# KiCad board 6502PC-6U.kicad_pcb (continued)
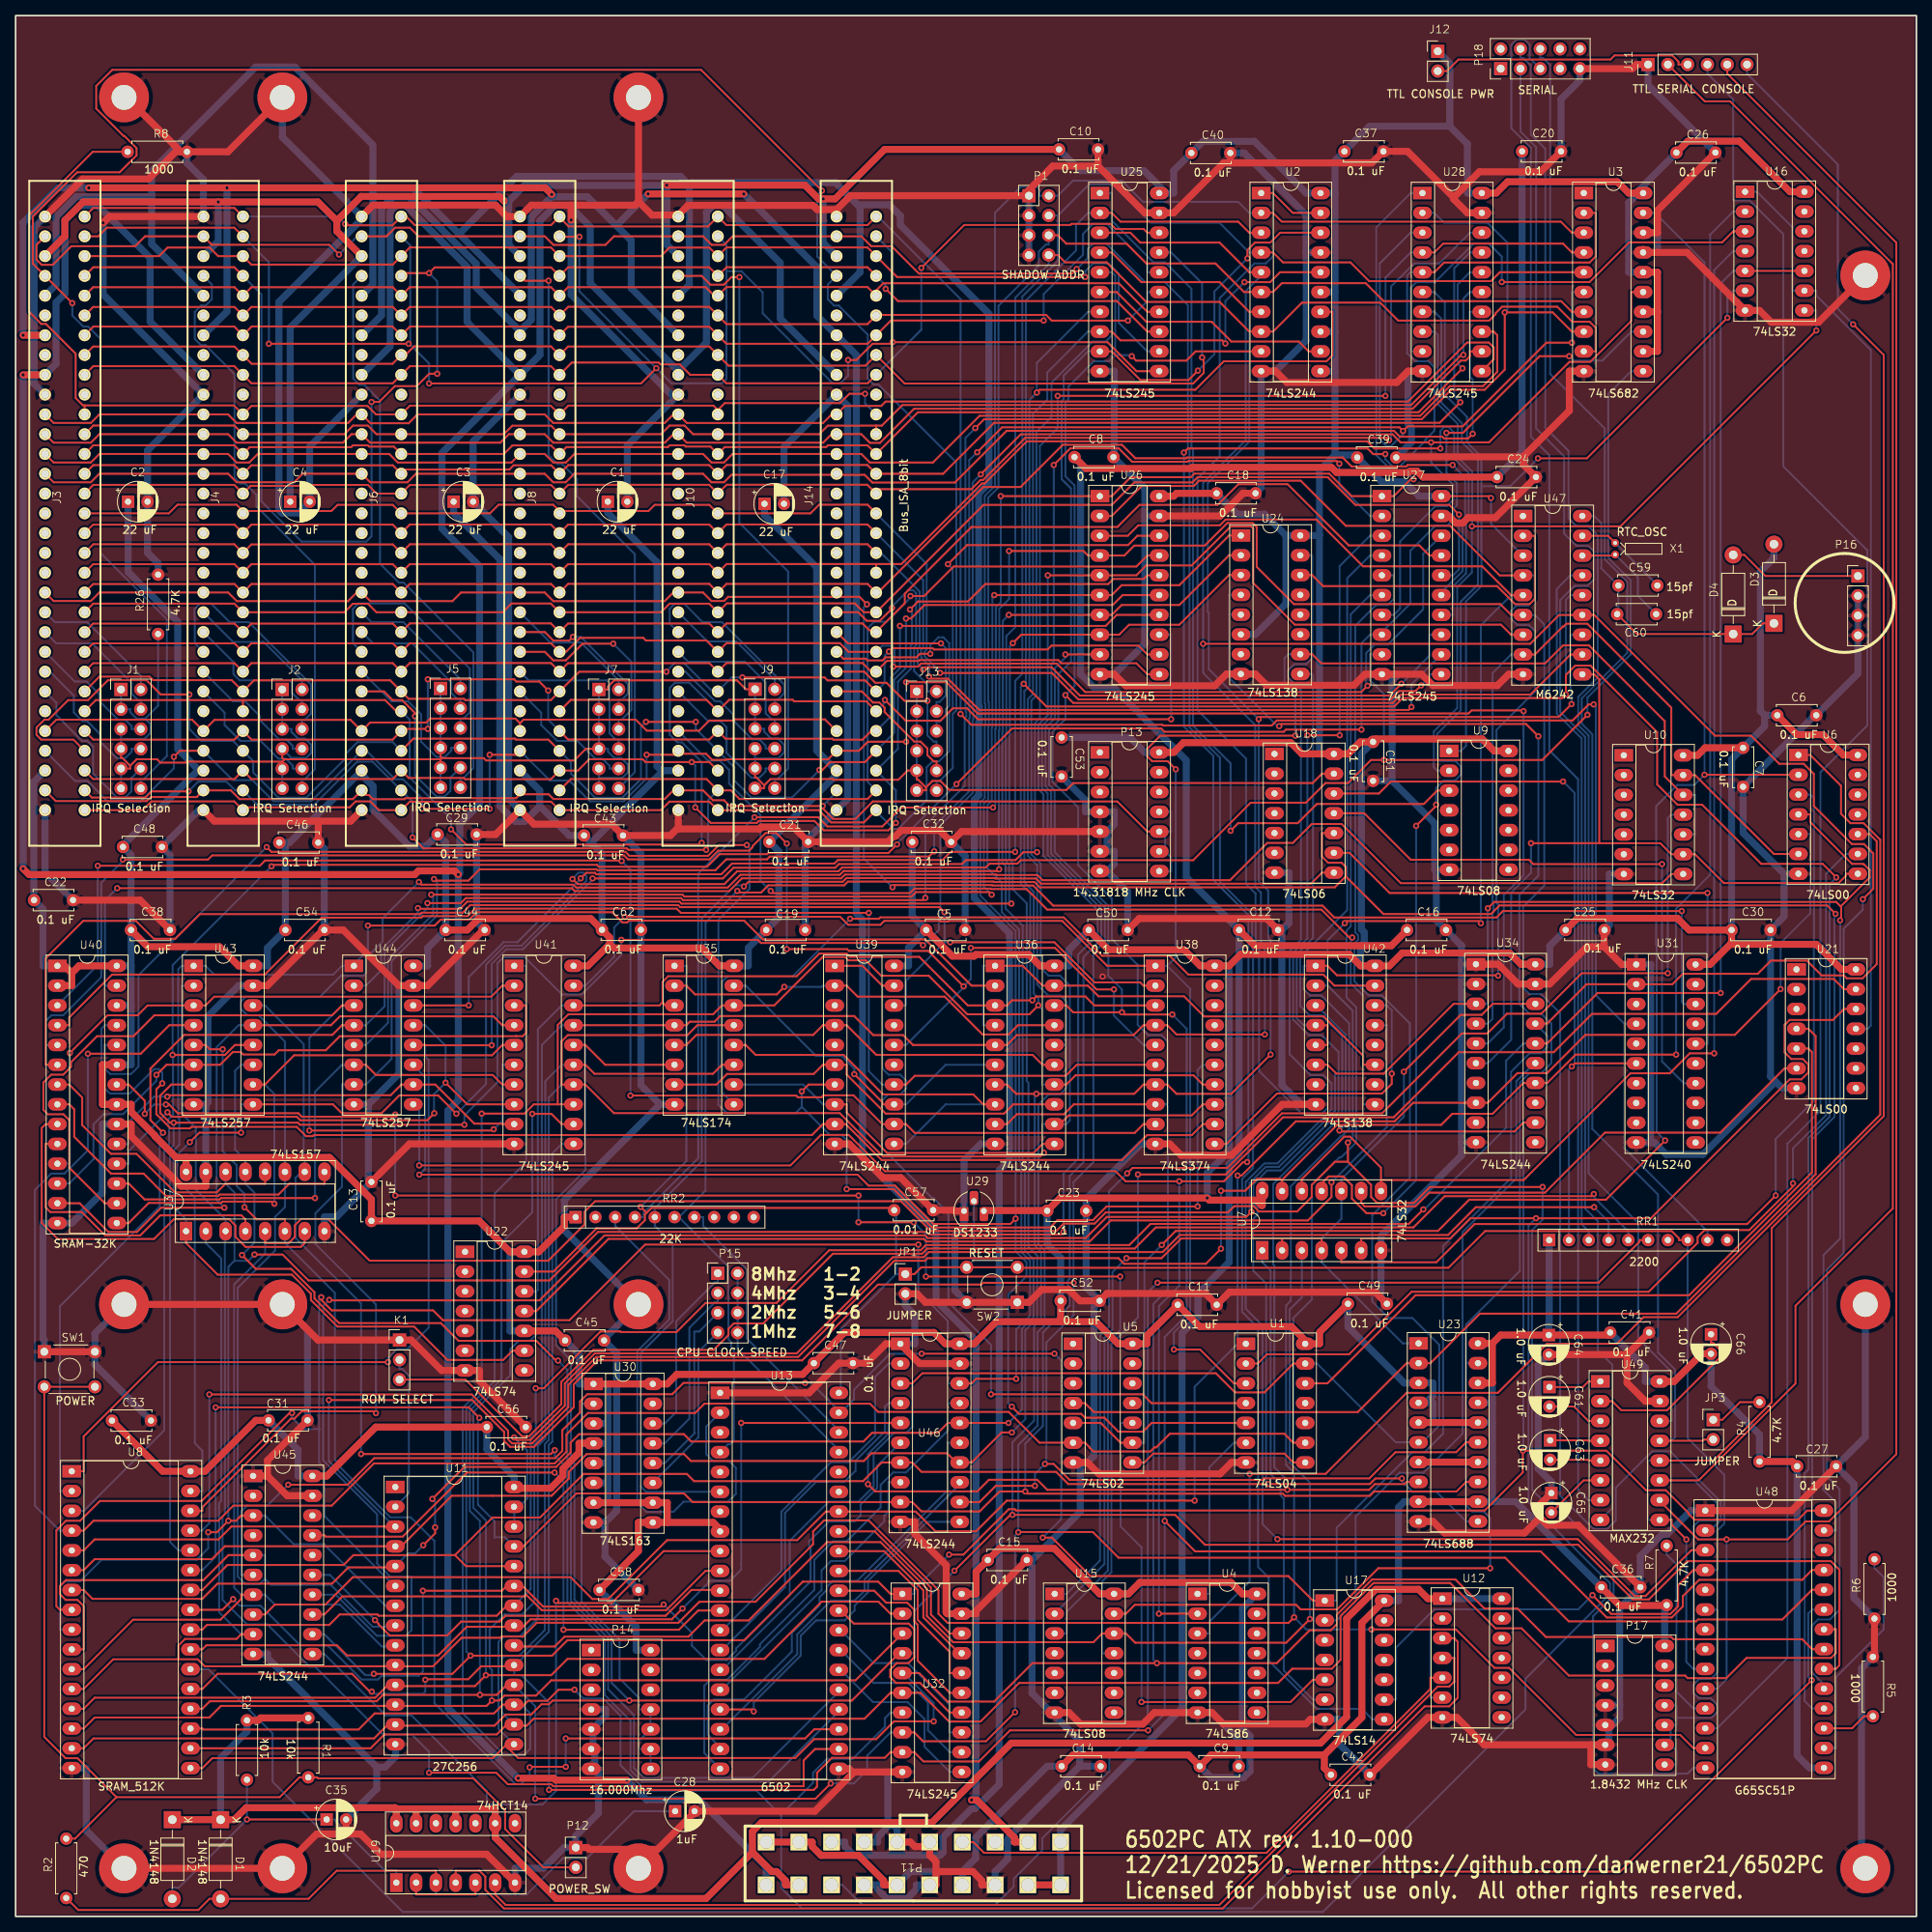
[diagram p0: board, top side]
## Routing (per net, layer and track width the routed paths; a pad name or vN(x,y) marks a point on that pad's centre or on a via; arc(x,y) is an arc through that point) (continued)
/AEN: length 152.9
  Top w0.25: R8.1 9.9,226.52 1.72,218.33 1.72,206 3.3,204.42 3.89,204.42 7.71,200.6 7.71,194.9 8.65,193.96 8.87,193.96 ; 8.87,193.96 28.03,193.96 J4.42 30.27,193.89 45.18,193.89 46.27,192.81 J6.42 50.63,193.93 68.7,193.93 J8.42 70.95,193.93 89.58,193.93 90.15,193.37 ; 8.87,193.96 J3.42 ; v1(109.04,195.45) 107.03,195.45 105.84,194.26 91.03,194.26 90.15,193.37 ; 90.15,193.37 J10.42
  Bottom w0.25: J14.42 109.04,194.23 v1(109.04,195.45)
/BUS: length 118.5
  Bottom w0.25: U21.11 237.75,113.94 238.14,114.33 238.14,201.08 231.15,208.07 231.15,208.69 U16.9 228.1,208.69 228.1,216.82 223.53,221.39 U16.1
/BUSAK: length 230.2
  Top w0.25: v1(126.45,182.31) U26.1 140.71,182.31 143.14,184.75 150.87,184.75 151.32,185.2 168.62,185.2 171.51,182.31 U27.1 176.92,182.31 179.09,184.48 v1(179.45,184.48) ; v1(125.47,142.35) 113.7,142.35 111.27,139.91 104.21,139.91 103.03,141.09 v1(94.85,141.09)
  Bottom w0.25: U28.1 179.07,221.21 174.67,216.81 174.67,187.57 176.88,185.36 178.57,185.36 v1(179.45,184.48) ; v1(126.45,182.31) 126.45,168.68 125.83,168.05 125.83,152.47 125.76,152.4 125.76,142.63 v1(125.47,142.35) ; RR2.4 80.63,89.76 80.63,90.34 87.63,97.34 87.63,133.87 v1(94.85,141.09)
/IORQ: length 173.6
  Top w0.25: 175.27,94.53 175.27,96.12 171.29,100.1 170.56,100.1 165.11,94.64 U7.12 ; 175.27,94.53 193.58,94.53 207.29,108.23 212.34,108.23 214.9,110.79 v1(218.04,110.79) ; 175.27,94.53 U7.8
  Bottom w0.25: v1(218.04,110.79) 218.04,211.33 220.48,213.77 U16.4
/IOSEL-0EF80: length 202
  Top w0.25: U48.3 215.11,47.01 209.23,41.14 207.83,41.14 200.54,48.43 v1(161.98,48.43)
  Bottom w0.25: v1(161.98,48.43) 160.06,50.35 160.06,75.84 157.9,77.99 157.9,94.27 160.29,96.66 161.97,96.66 168.92,103.61 168.92,106.95 167.89,107.98 166.23,107.98 163.55,110.66 163.55,123.9 165,125.35 165,157.38 163.38,159 163.38,159.98 164.15,160.75 165.66,160.75 166.43,161.52 166.43,174.72 U24.15
/IOSEL-0EF90: length 41.6
  Top w0.25: U24.14 166.43,172.18 167.85,170.77 190.17,170.77 192.48,168.46 194.36,168.46 195.02,169.11 195.02,177.22 U47.2
/IOSEL-0EFD0: length 281.9
  Top w0.25: v1(78.2,128.32) 105.84,128.32 106.88,127.28 111,127.28 111.51,127.79 118.69,127.79 118.76,127.73 119.73,127.73 119.8,127.79 134.35,127.79 140.12,122.02 U38.1 ; v1(148.68,72.77) 152.05,72.77 156.39,68.43 U1.3 ; v1(148.92,147.25) 147.88,148.29 145.89,148.29 145.27,148.92 145.27,149.9 146.94,151.57 v1(164.27,151.57) ; U24.10 166.43,162.02 167.62,160.84 196.33,160.84 198.65,163.16 201.96,163.16 211.69,153.43 211.69,146.33 U10.12
  Bottom w0.25: U38.1 147.83,122.02 ; 147.83,122.02 150.78,119.08 150.78,77.03 148.68,74.93 v1(148.68,72.77) ; 147.83,122.02 148.92,123.11 v1(148.92,147.25) ; v1(78.2,128.32) 76.84,126.96 76.84,123.17 73.15,119.48 U41.19 ; U10.12 215.58,143.97 215.58,138.89 U10.10 ; v1(164.27,151.57) 164.27,156.76 162.87,158.16 162.87,161.51 163.38,162.02 U24.10
/IOSEL-0EFE0: length 55
  Top w0.25: U42.4 168.41,114.4 168.41,111.86 U42.5
  Bottom w0.25: U42.4 165.36,114.4 164.45,115.31 164.45,123.5 166.54,125.6 166.54,159.37 166.43,159.48 U24.9
/IRQ: length 318.8
  Top w0.25: 170.75,133.51 175.58,128.67 189.39,128.67 190.49,129.78 232.54,129.78 v1(233.62,128.69) ; 170.75,133.51 169.34,132.1 131.47,132.1 130.79,132.78 125.58,132.78 125.52,132.84 106.84,132.84 106.36,132.36 96.63,132.36 95.7,131.43 92.84,131.43 v1(92.64,131.63) ; 170.75,133.51 170.75,134.72 170.21,135.26 168.48,135.26 167.7,136.04 167.7,139.07 U18.10
  Bottom w0.25: v1(92.64,131.63) 88.56,127.56 88.56,93.18 85.15,89.76 ; v1(233.62,128.69) 233.48,128.56 233.48,102.64 230.61,99.77 230.61,47.01 U48.26 ; U13.4 91.45,60.6 91.7,60.6 92.21,61.11 92.21,72.71 91.87,73.05 91.87,73.72 91.5,74.08 91.5,83.41 85.15,89.76 ; 85.15,89.76 RR2.6
/Memory Map/SHADOW-ROM: length 63.2
  Top w0.25: U17.5 166.53,30.38 163.67,27.52 v1(144.53,27.52)
  Bottom w0.25: U5.10 141.84,63.35 141.84,50.06 144.53,47.37 v1(144.53,27.52)
/MMU four//OE: length 202.7
  Top w0.25: v1(16.58,103.02) 16.58,104.71 14.51,106.78 U40.22 ; v1(108.2,89.1) v1(115.29,89.1) ; v1(116.85,82.14) v1(141.79,82.14) ; v1(19.3,104.23) 19.7,104.23 20.83,103.1 36.29,103.1 36.74,102.65 48.46,102.65 v1(48.74,102.93) ; v1(108.2,92.54) v1(48.74,92.54)
  Bottom w0.25: v1(48.74,102.93) v1(48.74,92.54) ; v1(16.58,103.02) 17.79,104.23 v1(19.3,104.23) ; v1(115.29,89.1) 116.85,87.54 v1(116.85,82.14) ; v1(141.79,82.14) 141.79,75.25 140.21,73.68 140.21,44.38 134.91,39.07 134.91,36.32 U15.3 ; v1(108.2,92.54) v1(108.2,89.1)
/MMU-ENB-WR: length 136.6
  Top w0.25: v1(168.91,94.24) 168.91,92.36 165.9,89.34 140.58,89.34 137.87,86.63 116.9,86.63 116.57,86.97 76.1,86.97 66.84,77.7 U22.11
  Bottom w0.25: v1(168.91,94.24) 176.03,101.35 176.03,107.78 175.92,107.88 175.92,108.48 176.03,108.58 176.03,114.4 U42.13
/MMU-IO-PREFIX-RD: length 146.9
  Top w0.25: U2.19 163.95,218.67 161.41,221.21 U2.1
  Bottom w0.25: U2.1 161.41,221.21 161.41,213.12 160.48,212.18 159.02,212.18 154.57,207.72 154.57,187.43 151.71,184.57 151.71,154.86 157.94,148.63 157.94,132.54 159.17,131.31 159.17,124.49 159.62,124.04 159.62,108.52 165.1,103.05 167.7,103.05 168.41,103.76 168.41,106.78 U42.7
/MMU-MAP-RD: length 160.8
  Top w0.25: v1(142.69,95.39) 143.39,96.08 155.55,96.08 162.55,103.09 175.41,103.09 185.65,113.33 188.9,113.33 191.44,115.87 195.83,115.87 201.03,121.07 v1(212.08,121.07)
  Bottom w0.25: U15.1 134.91,41.4 139.2,45.7 139.2,74.55 140.35,75.7 140.35,93.05 v1(142.69,95.39) ; U10.11 212.53,141.43 212.08,140.98 v1(212.08,121.07)
/MMU-MAP-WR: length 223.7
  Top w0.25: v1(13.04,131.99) 71.41,131.99 71.78,131.61 91.59,131.61 93.24,133.26 105.99,133.26 106.47,133.74 125.89,133.74 125.95,133.68 131.17,133.68 131.83,133.01 155.89,133.01 160.67,137.8 163.95,137.8 166.39,140.23 170.22,140.23 177.82,132.63 211.36,132.63 212.53,133.81 U10.8
  Bottom w0.25: U40.27 11.46,119.48 11.46,130.41 v1(13.04,131.99)
/MMU-TASK-RD: length 65.4
  Top w0.25: U42.11 172.98,109.32 172.98,110.48 167.93,115.53 152.58,115.53 149.99,118.12 139,118.12 137.64,119.48 U36.19 131.82,119.48 129.28,122.02 U36.1
  Bottom w0.25: U36.1 124.2,122.02 124.2,114.4 U36.4
/MMU-TASK-SETUP-WR: length 37.8
  Top w0.25: U38.11 155.45,99.16 161.92,105.63 175.4,105.63 176.65,106.88 v1(176.65,108.18)
  Bottom w0.25: U42.14 176.03,116.94 176.65,116.32 v1(176.65,108.18)
/MMU-TASK-WR: length 107.3
  Top w0.25: U42.15 169.28,119.48 167.87,120.9 150.54,120.9 148.13,123.31 139.47,123.31 134.54,128.24 119.61,128.24 119.54,128.18 118.94,128.18 118.88,128.24 111,128.24 110.83,128.06 v1(107.12,128.06)
  Bottom w0.25: v1(107.12,128.06) 99.73,120.68 91.39,120.68 90.67,119.95 90.67,105.77 U35.9
/NMI: length 173.1
  Top w0.25: U18.8 167.7,133.99 166.28,132.56 131.65,132.56 130.98,133.23 125.76,133.23 125.71,133.29 106.65,133.29 106.17,132.81 94.09,132.81 v1(93.48,132.21)
  Bottom w0.25: 90.69,54.51 80.94,54.51 80.26,55.18 80.26,72.33 84.35,76.42 84.35,86.33 82.05,88.64 RR2.5 82.05,90.89 88.08,96.92 88.08,128.1 92.34,132.36 93.33,132.36 v1(93.48,132.21)
/ONBOARDIO: length 227.4
  Top w0.25: v1(189.28,44.69) 174.92,44.69 169.64,39.41 164.96,39.41 164.36,40.01 143.67,40.01 142.53,38.86 U15.13 ; v1(195.47,151.49) 193.89,153.07 162.48,153.07 v1(162.21,152.79)
  Bottom w0.25: U24.4 155.76,169.64 155.76,167.1 ; 186.19,71.02 186.19,75.96 193.1,82.87 193.1,107.03 194.33,108.25 195.86,108.25 197.14,109.54 197.14,114.6 195.87,115.87 194.31,115.87 193.03,117.15 193.03,131.15 195.47,133.59 v1(195.47,151.49) ; 186.19,71.02 186.19,52.76 186.98,51.97 188.45,51.97 189.28,51.13 v1(189.28,44.69) ; 186.19,71.02 U23.19 ; 155.76,167.1 U24.5 ; 155.76,167.1 155.76,159.02 161.99,152.79 v1(162.21,152.79)
/ONBOARDRAM: length 357
  Top w0.25: U7.6 172.73,87.02 184.15,87.02 186.75,89.62 v1(195.17,89.62) 209.91,89.62 227.74,107.45 229.24,107.45 230.13,108.34 230.13,109.34 229.41,110.06 227.94,110.06 227.08,110.92 227.08,114.43 227.72,115.07 233.29,115.07 234.7,116.48 U21.12
  Bottom w0.25: U8.22 24.76,31.74 32.99,23.51 32.99,17.28 49.69,0.58 167.79,0.58 193.82,26.6 193.82,30.52 204.68,41.38 204.68,42.76 204.05,43.39 203.98,43.39 194.2,53.17 194.2,88.65 v1(195.17,89.62)
/ONBOARDROM: length 166.3
  Top w0.25: 64.02,34.65 69.2,34.65 70.47,35.91 86.36,35.91 88.45,38 94.11,38 104.16,48.05 111.03,48.05 116.98,42.1 116.98,38.57 120.35,35.2 138.35,35.2 139.48,36.32 U15.12 142.53,36.32 143.72,35.13 163.1,35.13 v1(166.14,38.17)
  Bottom w0.25: v1(166.14,38.17) 166.14,55.68 163.55,58.26 163.55,77.93 165.11,79.48 U7.3
/RD: length 352.7
  Top w0.25: v1(218.87,118.53) 203.07,118.53 196.6,112.06 U34.16 ; v1(180.7,90.75) 178.84,88.89 145.68,88.89 142.97,86.18 116.85,86.18 116.18,85.52 104.45,85.52 97.68,78.75 88.58,78.75 84.84,75.01 77.7,75.01 77.62,75.09 75.09,75.09 67.8,67.8 v1(66.76,67.8) ; 64.02,39.73 62.89,39.73 61.77,38.6 46.6,38.6 46.43,38.76 41.6,38.76 40.26,37.42 24.57,37.42 23.97,36.82 U8.24 ; U16.5 U16.10
  Bottom w0.25: U11.22 66.13,42.03 66.13,61.28 66.08,61.33 66.76,62.01 v1(66.76,67.8) ; U16.5 220.48,211.23 218.87,209.62 v1(218.87,118.53) ; v1(180.7,90.75) 180.85,90.75 191.34,101.24 191.34,109.85 193.55,112.06 U34.16
/RESET: length 329.1
  Top w0.25: 81,90.32 80.78,90.1 80.78,89.37 79.73,88.32 74.58,88.32 69.04,82.78 U22.13 ; 81,90.32 v1(80.23,91.08) ; 81,90.32 81.63,90.95 112.49,90.95 C57.1 ; v1(202.42,41.24) 204.83,38.82 212.41,38.82 213.41,39.82 213.41,42.51 215.37,44.47 U48.4 ; JP1.1 115.38,82.46 116.26,83.33 SW2.2 SW2.2 128.66,83.26 183.93,83.26 188.64,87.98 212.59,87.98 213.51,87.05 213.51,86.82 RR1.8
  Bottom w0.25: U35.1 86.1,122.02 86.1,96.95 v1(80.23,91.08) ; U29.2 123.02,84.26 SW2.2 ; 105.93,67.21 105.93,75.35 113.03,82.46 ; 113.03,82.46 113.03,90.4 C57.1 ; 113.03,82.46 JP1.1 ; v1(202.42,41.24) 200.59,39.41 182.1,39.41 177.2,34.51 177.2,27.84 U17.9 ; U48.4 218.42,44.47 218.42,49.5 219.33,50.41 219.33,56.7 214.64,61.4 RR1.8
/SHADOW: length 246.3
  Top w0.25: U5.9 141.84,60.81 139.3,63.35 U5.5 ; v1(211.75,99.6) 204.15,92.01 186.59,92.01 182.58,87.99 148.93,87.99 v1(147.12,86.19) ; U6.2 v1(216.8,146.54)
  Bottom w0.25: U5.9 144.89,60.81 144.89,83.96 v1(147.12,86.19) ; v1(211.75,99.6) 210.66,100.7 210.66,124.66 210.6,124.71 210.6,142.53 213.3,145.24 215.49,145.24 v1(216.8,146.54) 216.8,212.32 210.44,218.67 208.92,218.67
/SO: length 36.1
  Bottom w0.25: RR2.7 88.25,89.76 88.25,88.66 93.86,83.05 93.86,74.19 105.93,62.13
/VMA: length 144.7
  Top w0.25: U34.18 189.62,117.14 188.2,115.73 185.5,115.73 v1(178.2,108.43) ; 162.57,86.91 U7.2 ; 162.57,86.91 162.68,87.02 167.65,87.02 U7.4 ; 162.57,86.91 162.46,87.02 149.62,87.02 147.09,84.5 v1(142.59,84.5)
  Bottom w0.25: U15.2 139.76,45.24 139.76,74.28 140.8,75.32 140.8,82.71 v1(142.59,84.5) ; v1(178.2,108.43) 178.2,102.66 170.19,94.64 U7.10 170.19,89.56 167.65,87.02 U7.4 167.65,83.97 178.06,73.56 U23.1
/WR: length 352.6
  Top w0.25: 162.57,94.44 U7.13 ; 162.57,94.44 162.32,94.69 159.37,94.69 157.84,93.15 v1(154.73,93.15) ; 162.57,94.44 162.57,94.54 169.63,101.61 183,101.61 184.42,103.03 189.6,103.03 193.55,106.98 U34.14 196.6,106.98 200.24,110.62 v1(213.15,110.62) ; v1(154.73,85.71) 152.79,83.77 142.29,83.77 141.56,84.51 117.08,84.51 116.74,84.17 112.8,84.17 100.45,71.82 74.53,71.82 70.95,68.24 70.95,65.38 66.3,60.72 63.73,60.72 63.23,61.22 63.23,62.33 58.55,67.01 v1(24.86,67.01)
  Bottom w0.25: v1(24.86,67.01) 24.86,50.48 23.97,49.59 23.97,49.52 U8.29 ; v1(213.15,110.62) 213.15,129.35 217.52,133.72 217.52,215.89 220.48,218.85 U16.2 ; v1(154.73,93.15) v1(154.73,85.71)
ACIA_CLK: length 37.8
  Bottom w0.25: 212.44,24.57 213.2,24.57 213.2,25.49 ; 212.44,24.57 P17.10 ; 212.44,24.57 212.44,22.03 ; P17.9 212.44,22.03 ; 212.44,22.03 213.2,21.26 213.2,19.49 P17.8 ; 213.2,25.49 217.7,25.49 218.43,26.22 218.43,27.19 217.58,28.03 216.04,28.03 215.37,28.7 215.37,29.73 216.14,30.5 217.62,30.5 218.42,31.3 218.42,39.39 U48.6 ; 213.2,25.49 213.2,27.11 P17.11
B_/CLK: length 265.9
  Top w0.25: v1(213.88,129.05) 190.92,129.05 190.1,128.22 169.28,128.22 167.75,129.75 133.19,129.75 130.61,132.33 125.39,132.33 125.33,132.39 112.85,132.39 v1(112.57,132.11) ; J3.20 4.88,168.85 9.66,168.85 10.75,169.95 J4.20 27.28,169.95 28.39,168.84 42.68,168.84 43.79,169.95 J6.20 45.53,168.84 56.08,168.84 57.19,169.95 J8.20 67.92,169.95 69.03,168.83 83.32,168.83 84.43,169.95 J10.20 88.24,169.95 89.33,168.86 90.93,168.86 91.46,169.38 105.39,169.38 ; 105.39,169.38 108.33,169.38 v1(109.28,168.43) ; 105.39,169.38 J14.20
  Bottom w0.25: U31.18 214.13,117.12 213.88,117.37 v1(213.88,129.05) ; v1(109.28,168.43) 108.88,168.03 108.88,135.8 v1(112.57,132.11)
B_/INT: length 98.3
  Top w0.25: v1(199.76,109.11) 200.16,109.5 208.03,109.5 ; v1(198.64,145.68) 176.53,145.68 175,144.15 U18.12
  Bottom w0.25: RR1.2 199.4,108.74 v1(199.76,109.11) 200.12,109.46 200.12,144.2 v1(198.64,145.68)
B_/NMI: length 334.2
  Top w0.25: 69.77,218.16 J8.32 ; 69.77,218.16 68.73,217.11 51.24,217.11 50.14,218.21 J6.32 48.38,217.08 42.47,217.08 v1(42.31,217.24) ; 69.77,218.16 71,216.93 88.87,216.93 J10.32 91.24,217.11 109.37,217.11 J14.32 ; J4.32 28.09,219.31 9.97,219.31 J3.32 ; v1(202.56,155.58) 201.93,155.58 199.86,153.52 161.89,153.52 161.24,152.87 147.31,152.87 147.21,152.97 122.69,152.97 v1(121.31,154.35)
  Bottom w0.25: v1(42.31,217.24) 41.35,218.21 J4.32 ; v1(121.31,154.35) 121.31,207.6 110.7,218.21 J14.32 ; 206.51,114.58 202.84,118.24 202.84,155.3 v1(202.56,155.58) ; 206.51,114.58 U31.4 ; 206.51,114.58 206.51,98.61 217.18,87.94 RR1.9
B_A0: length 176.8
  Top w0.25: 29.19,142.37 28.82,142.37 28.06,143.13 17.44,143.13 16.32,142.01 J3.62 ; 29.19,142.37 42.89,142.37 43.64,143.13 45.52,143.13 46.65,142.01 J6.62 50.59,143.09 68.74,143.09 J8.62 82.84,142.01 83.94,143.1 89.05,143.1 J10.62 103.1,142.01 104.67,140.43 108.89,140.43 J14.62 ; 29.19,142.37 J4.62 ; v1(119.69,173.58) 122.14,176.03 142.81,176.03 144.01,177.23 U26.18
  Bottom w0.25: J14.62 110.47,141.84 112.69,139.61 113.29,139.61 116.95,143.28 116.95,147.52 117.69,148.27 118.53,148.27 119.85,149.59 119.85,154.55 120.3,155.01 120.3,172.97 v1(119.69,173.58)
B_A1: length 205.6
  Top w0.25: v1(88.64,136.92) 78.66,136.92 78.47,137.1 52.36,137.1 v1(50.96,138.5) ; J8.61 71.28,146 88.69,146 J10.61 91.82,144.55 92.93,143.44 109.35,143.44 J14.61 ; v1(114.87,169.49) 116.62,169.49 120.41,173.28 143.86,173.28 145.28,174.69 U26.17 ; v1(22.2,144.42) 17.46,144.42 16.66,143.62 9.79,143.62 J3.61
  Bottom w0.25: v1(88.64,136.92) 88.9,137.17 88.9,143.3 J10.61 ; v1(50.96,138.5) 50.96,143.09 J6.61 45.82,148.23 43.85,148.23 38.32,142.7 31.03,142.7 J4.61 28.18,144.55 27.06,145.66 23.44,145.66 v1(22.2,144.42) ; J14.61 109.37,145.64 109.37,165.37 110.19,166.18 111.77,166.18 114.87,169.28 v1(114.87,169.49)
B_A2: length 183
  Top w0.25: U26.16 145.28,172.15 144.81,171.69 140.92,171.69 140.26,171.03 124.48,171.03 122.24,168.79 115.84,168.79 v1(114.81,167.76) ; J3.60 9.95,146 28.1,146 J4.60 30.27,146 48.42,146 J6.60 50.45,146.14 57.55,146.14 57.7,145.98 68.72,145.98 J8.60 72.18,147.09 73.63,148.54 80.5,148.54 80.86,148.18 v1(86.79,148.18) 89.05,148.18 J10.60 ; v1(113,140.37) 112.04,139.42 103.75,139.42 102.55,140.62 95.4,140.62 95.15,140.37 89.23,140.37 v1(87.25,142.35)
  Bottom w0.25: v1(114.81,167.76) 115.07,167.5 115.07,163.31 114.89,163.12 114.89,160.11 113.26,158.48 113.26,149.88 J14.60 113,144.55 v1(113,140.37) ; v1(87.25,142.35) 87.25,147.72 v1(86.79,148.18)
B_A3: length 204.7
  Top w0.25: U26.15 142.11,169.61 140.84,168.34 116.67,168.34 114.94,166.61 v1(114.3,166.61) ; J6.59 51.06,151.18 64.11,151.18 64.24,151.06 68.4,151.06 J8.59 ; v1(22.31,156.86) 18.64,156.86 16.8,158.7 11.87,158.7 9.31,156.14 6.75,156.14 4.24,153.62 3.69,153.62 2.69,152.62 2.69,151.66 3.29,151.06 7.44,151.06 J3.59 ; J14.59 109.01,148.17 104.57,148.17 103.56,147.16 v1(103.19,147.16) ; v1(87.31,153.34) v1(80.92,153.34)
  Bottom w0.25: v1(114.3,166.61) 114.3,160.3 112.77,158.77 112.77,151.93 J14.59 ; J8.59 71.28,148.17 71.28,146.73 74.42,143.59 77.87,143.59 80.27,146 80.27,152.69 v1(80.92,153.34) ; v1(22.31,156.86) 22.31,152.42 23.83,150.9 27.92,150.9 J4.59 30.5,148.31 30.5,146.86 33.75,143.61 37.33,143.61 42.37,148.65 42.37,149.21 43.89,150.74 48.39,150.74 J6.59 ; v1(103.19,147.16) 99.65,143.62 94.44,143.62 92.26,145.79 92.26,147.51 J10.59 87.31,152.46 v1(87.31,153.34)
B_A4: length 165.3
  Top w0.25: v1(113.52,165.66) 139.93,165.66 141.35,167.07 U26.14 ; J14.58 109.83,152.17 108.71,151.05 104.96,151.05 104.84,151.18 91.14,151.18 J10.58 89.06,151.08 70.91,151.08 J8.58 ; v1(52.91,152.44) 49.78,152.44 J6.58 48.39,151.06 30.3,151.06 J4.58 28.07,151.06 9.98,151.06 J3.58 ; v1(68.37,157.36) 67.22,158.52 64.29,158.52 64,158.8 v1(52.91,158.8)
  Bottom w0.25: J8.58 68.37,153.62 v1(68.37,157.36) ; v1(113.52,165.66) 113.52,160.22 112.32,159.02 112.32,154.02 J14.58 ; v1(52.91,152.44) v1(52.91,158.8)
B_A5: length 220.5
  Top w0.25: v1(55.9,139.54) 57.85,137.59 87.85,137.59 v1(88.07,137.82) ; J8.57 71.28,156.16 88.69,156.16 J10.57 91.62,156.18 99.75,156.18 99.95,155.98 109.2,155.98 J14.57 ; J3.57 10.29,156.14 22,156.14 22.01,156.13 29.19,156.13 ; 29.19,156.13 J4.57 ; 29.19,156.13 29.19,156.14 47.44,156.14 48.87,154.71 J6.57 ; v1(111.59,156.15) 114.25,153.49 118.72,153.49 120.3,155.08 122.12,155.08 123.53,153.68 v1(148.33,153.68)
  Bottom w0.25: J14.57 111.59,155.83 v1(111.59,156.15) ; J10.57 86.49,158.36 84.64,158.36 83.98,157.71 83.98,151.68 84.94,150.71 85.52,150.71 88.07,148.16 v1(88.07,137.82) ; v1(148.33,153.68) 148.33,164.53 U26.13 ; J6.57 50.59,153.62 50.59,146.2 55.9,140.89 v1(55.9,139.54)
B_A6: length 151.3
  Top w0.25: v1(83.54,159.77) 72.35,159.77 J8.56 68.72,156.14 57.71,156.14 57.55,156.3 50.45,156.3 J6.56 48.08,158.68 30.61,158.68 J4.56 27.73,158.7 17.66,158.7 17.21,159.15 10.77,159.15 J3.56 ; J14.56 109.05,158.66 104.23,158.66 103.85,159.04 v1(93.3,159.04) ; v1(112.1,162.37) 112.53,162.8 117.71,162.8 117.88,162.63 132.48,162.63 132.98,163.13 144.14,163.13 145.28,161.99 U26.12
  Bottom w0.25: v1(93.3,159.04) 91.94,159.04 J10.56 89.44,157.25 85.76,160.92 84.63,160.92 83.54,159.83 v1(83.54,159.77) ; v1(112.1,162.37) 111.55,161.82 111.55,158.33 J14.56
B_A7: length 143.8
  Top w0.25: U26.11 145.28,159.45 143.87,160.86 134.24,160.86 133.84,161.27 116.04,161.27 115.95,161.17 111.85,161.17 J14.55 109.83,159.79 108.73,160.89 91.25,160.89 J10.55 89.06,160.87 70.91,160.87 J8.55 68.72,160.89 50.61,160.89 J6.55 48.42,160.88 30.28,160.88 J4.55 28.1,160.87 9.95,160.87 J3.55
B_A8: length 199.2
  Top w0.25: 69.83,162.39 70.72,162.39 72.46,164.13 80.56,164.13 80.91,163.78 88.69,163.78 J10.54 91.26,163.44 105.81,163.44 106.92,162.33 J14.54 ; 69.83,162.39 J8.54 ; 69.83,162.39 69.77,162.39 68.74,163.42 50.59,163.42 J6.54 48.42,163.41 30.27,163.41 J4.54 28.1,163.41 9.95,163.41 J3.54 ; v1(112.65,160.43) 115.85,160.43 116.23,160.82 133.65,160.82 137.3,157.17 172.73,157.17 v1(173.54,157.97)
  Bottom w0.25: U27.18 180.68,174.9 180.68,167.78 176.16,163.26 174.46,163.26 173.36,162.16 173.36,158.15 v1(173.54,157.97) ; J14.54 111.24,163.1 112.47,163.1 112.83,162.74 112.83,160.61 v1(112.65,160.43)
B_A9: length 191.1
  Top w0.25: 110.47,165.12 109.58,165.12 108.72,165.97 91.25,165.97 J10.53 89.04,165.97 70.93,165.97 J8.53 68.71,165.98 50.62,165.98 J6.53 48.42,165.95 30.27,165.95 J4.53 28.1,165.95 9.95,165.95 J3.53 ; 110.47,165.12 J14.53 ; 110.47,165.12 110.69,165.12 114.15,168.58 114.15,169.79 122.71,178.36 141.44,178.36 144.27,181.19 154.31,181.19 156.97,183.85 163.28,183.85 171.13,175.99 180.19,175.99 181.49,174.69 U27.17
B_A10: length 199.8
  Top w0.25: v1(185.28,179.94) 184.04,181.19 171.99,181.19 168.43,184.75 151.73,184.75 151.05,184.07 143.59,184.07 140.71,181.19 124.25,181.19 J14.52 108.88,167.41 107.74,168.55 91.28,168.55 J10.52 89.04,168.51 83.95,168.51 82.84,167.41 J8.52 68.7,168.53 63.65,168.53 62.52,167.41 J6.52 46.33,167.41 45.24,168.5 43.3,168.5 42.2,167.41 J4.52 28.07,168.52 9.98,168.52 J3.52
  Bottom w0.25: v1(185.28,179.94) 185.28,172.9 184.54,172.15 U27.16
B_A11: length 207.9
  Top w0.25: v1(184.47,186.31) 178.69,186.31 178.51,186.12 171.5,186.12 170.35,187.28 150.36,187.28 150.27,187.18 143.74,187.18 142.01,188.9 134.42,188.9 129.01,183.49 124.24,183.49 110.7,169.95 J14.51 109.36,171.05 91.25,171.05 J10.51 89.03,171.06 70.94,171.06 J8.51 68.73,171.04 50.6,171.04 J6.51 48.42,171.03 30.27,171.03 J4.51 28.1,171.03 9.95,171.03 J3.51
  Bottom w0.25: U27.15 183.01,169.95 185.74,172.68 185.74,179.3 186.07,179.63 186.07,184.71 v1(184.47,186.31)
B_A12: length 217.2
  Top w0.25: 110.47,173.6 91.26,173.6 J10.50 89.06,173.57 70.91,173.57 J8.50 68.74,173.57 50.59,173.57 J6.50 48.42,173.57 30.27,173.57 J4.50 28.1,173.57 9.95,173.57 J3.50 ; 110.47,173.6 J14.50 ; 110.47,173.6 113.71,173.6 124.06,183.94 124.38,183.94 129.79,189.35 173.49,189.35 174.41,188.44 v1(182.9,188.44)
  Bottom w0.25: U27.14 184.54,167.07 184.54,170.75 186.19,172.41 186.19,179.11 186.52,179.44 186.52,185.28 184.66,187.15 184.66,190.48 183.92,191.21 183.42,191.21 182.9,190.69 v1(182.9,188.44)
B_A13: length 197.2
  Top w0.25: J14.49 109.35,176.14 91.26,176.14 J10.49 89.03,176.14 70.94,176.14 J8.49 68.71,176.14 50.62,176.14 J6.49 48.42,176.11 30.27,176.11 J4.49 28.07,176.14 9.98,176.14 J3.49 ; v1(116.5,160.07) 116.79,160.35 132.98,160.35 136.61,156.72 176.37,156.72 v1(177.88,158.23)
  Bottom w0.25: J14.49 111.09,175.03 116.05,170.06 116.05,163.01 115.79,162.75 115.79,160.78 v1(116.5,160.07) ; v1(177.88,158.23) 181.49,161.83 181.49,164.53 U27.13
B_A14: length 199.8
  Top w0.25: v1(179.18,155.24) 178.8,154.87 123.68,154.87 119.66,158.89 117.54,158.89 v1(117.27,159.16) ; J3.48 9.95,178.65 28.1,178.65 J4.48 30.28,178.66 48.41,178.66 J6.48 50.62,178.68 68.71,178.68 J8.48 70.92,178.66 89.05,178.66 J10.48 91.26,178.68 109.35,178.68 J14.48
  Bottom w0.25: v1(179.18,155.24) 179.18,158.16 U27.12 ; v1(117.27,159.16) 117.27,160.56 116.24,161.59 116.24,162.56 116.5,162.82 116.5,171.53 J14.48
B_A15: length 197.7
  Top w0.25: J3.47 19.68,180.11 20.79,181.22 28.37,181.22 29.19,180.41 ; v1(118.67,159.61) 133.03,159.61 136.42,156.22 176.51,156.22 177.59,157.29 179.7,157.29 v1(180.42,158.02) ; J14.47 109.35,181.22 103.15,181.22 102.04,180.11 J10.47 89.05,181.2 82.04,181.2 81.24,180.41 69.83,180.41 ; 29.19,180.41 40.54,180.41 41.33,181.19 48.42,181.19 J6.47 60.89,180.11 62,181.22 69.01,181.22 69.83,180.41 ; 29.19,180.41 J4.47 ; 69.83,180.41 J8.47
  Bottom w0.25: v1(118.67,159.61) 118.67,159.79 116.69,161.77 116.69,162.37 116.95,162.63 116.95,173.62 J14.47 ; v1(180.42,158.02) 181.49,159.08 181.49,159.45 U27.11
B_A16: length 209.6
  Top w0.25: 110.47,183.21 109.9,183.21 109.33,183.78 91.28,183.78 J10.46 89.02,183.77 70.95,183.77 J8.46 68.73,183.74 50.6,183.74 J6.46 46.33,182.65 45.22,183.75 36.53,183.75 36.42,183.64 30.18,183.64 J4.46 28.07,183.76 9.98,183.76 J3.46 ; 110.47,183.21 122.69,183.21 123.87,184.39 124.2,184.39 129.61,189.8 176.01,189.8 v1(176.31,189.5) ; 110.47,183.21 J14.46
  Bottom w0.25: v1(176.31,189.5) 176.57,189.76 176.57,209.23 179.52,212.18 182.73,212.18 186.69,216.13 U28.18
B_A17: length 207
  Top w0.25: 49.51,185.73 J6.45 ; 49.51,185.73 48.96,185.73 48.42,186.27 30.27,186.27 J4.45 28.07,186.3 9.98,186.3 J3.45 ; 49.51,185.73 63.39,185.73 63.93,186.27 68.74,186.27 J8.45 70.95,186.31 89.02,186.31 J10.45 91.28,186.32 109.33,186.32 J14.45 119.06,185.19 125.6,191.73 182.81,191.73 v1(185.45,194.37)
  Bottom w0.25: U28.17 186.69,213.59 184.67,211.58 184.67,195.15 v1(185.45,194.37)
B_A18: length 200.8
  Top w0.25: v1(185.74,198.72) 180.1,193.08 115.82,193.08 J14.44 109.35,188.84 104.28,188.84 104.05,188.61 91.03,188.61 J10.44 89.19,188.68 86.02,188.68 85.86,188.84 83.95,188.84 83.73,188.61 70.71,188.61 J8.44 68.73,188.82 63.77,188.82 62.68,187.73 J6.44 48.56,188.67 45.38,188.67 45.22,188.83 43.31,188.83 43.08,188.61 30.07,188.61 J4.44 28.07,188.84 9.98,188.84 J3.44
  Bottom w0.25: v1(185.74,198.72) 185.12,199.33 185.12,209.49 186.69,211.05 U28.16
B_A19: length 195.9
  Top w0.25: 110.47,191.37 111.2,191.37 113.84,194.01 179.13,194.01 185.57,200.45 v1(185.85,200.45) ; 110.47,191.37 J14.43 ; 110.47,191.37 104.26,191.37 103.16,190.27 J10.43 86.97,190.27 85.86,191.38 83.95,191.38 82.84,190.27 J8.43 68.73,191.36 63.77,191.36 62.68,190.27 J6.43 46.33,190.27 45.22,191.37 43.31,191.37 42.2,190.27 J4.43 28.07,191.38 9.98,191.38 J3.43
  Bottom w0.25: v1(185.85,200.45) 185.85,207.67 186.69,208.51 U28.15
B_D0: length 156
  Top w0.25: J14.40 109.38,196.8 91.24,196.8 J10.40 86.6,197.89 85.26,199.23 82.78,199.23 82.55,199.46 71.4,199.46 J8.40 68.71,199 50.62,199 J6.40 48.42,196.8 30.28,196.8 J4.40 28.07,199 9.98,199 J3.40 ; U25.18 145.28,216.13 144.81,216.6 141.21,216.6 140.54,217.26 135.54,217.26 135.4,217.12 121.77,217.12 v1(116.26,211.61)
  Bottom w0.25: J14.40 116.26,203.68 v1(116.26,211.61)
B_D1: length 169.2
  Top w0.25: J3.39 9.95,201.51 28.1,201.51 J4.39 30.31,199.3 48.38,199.3 J6.39 50.03,200.43 51.15,201.54 68.71,201.54 J8.39 70.91,201.52 89.06,201.52 J10.39 91.51,199.06 109.1,199.06 J14.39 114.12,196.77 151.16,196.77 152.51,198.12 152.51,199.91 v1(152.31,200.11)
  Bottom w0.25: U25.17 148.33,213.59 152.31,209.62 v1(152.31,200.11)